# Altium PCB Iris.PcbDoc (part 1 of 13) (continued)
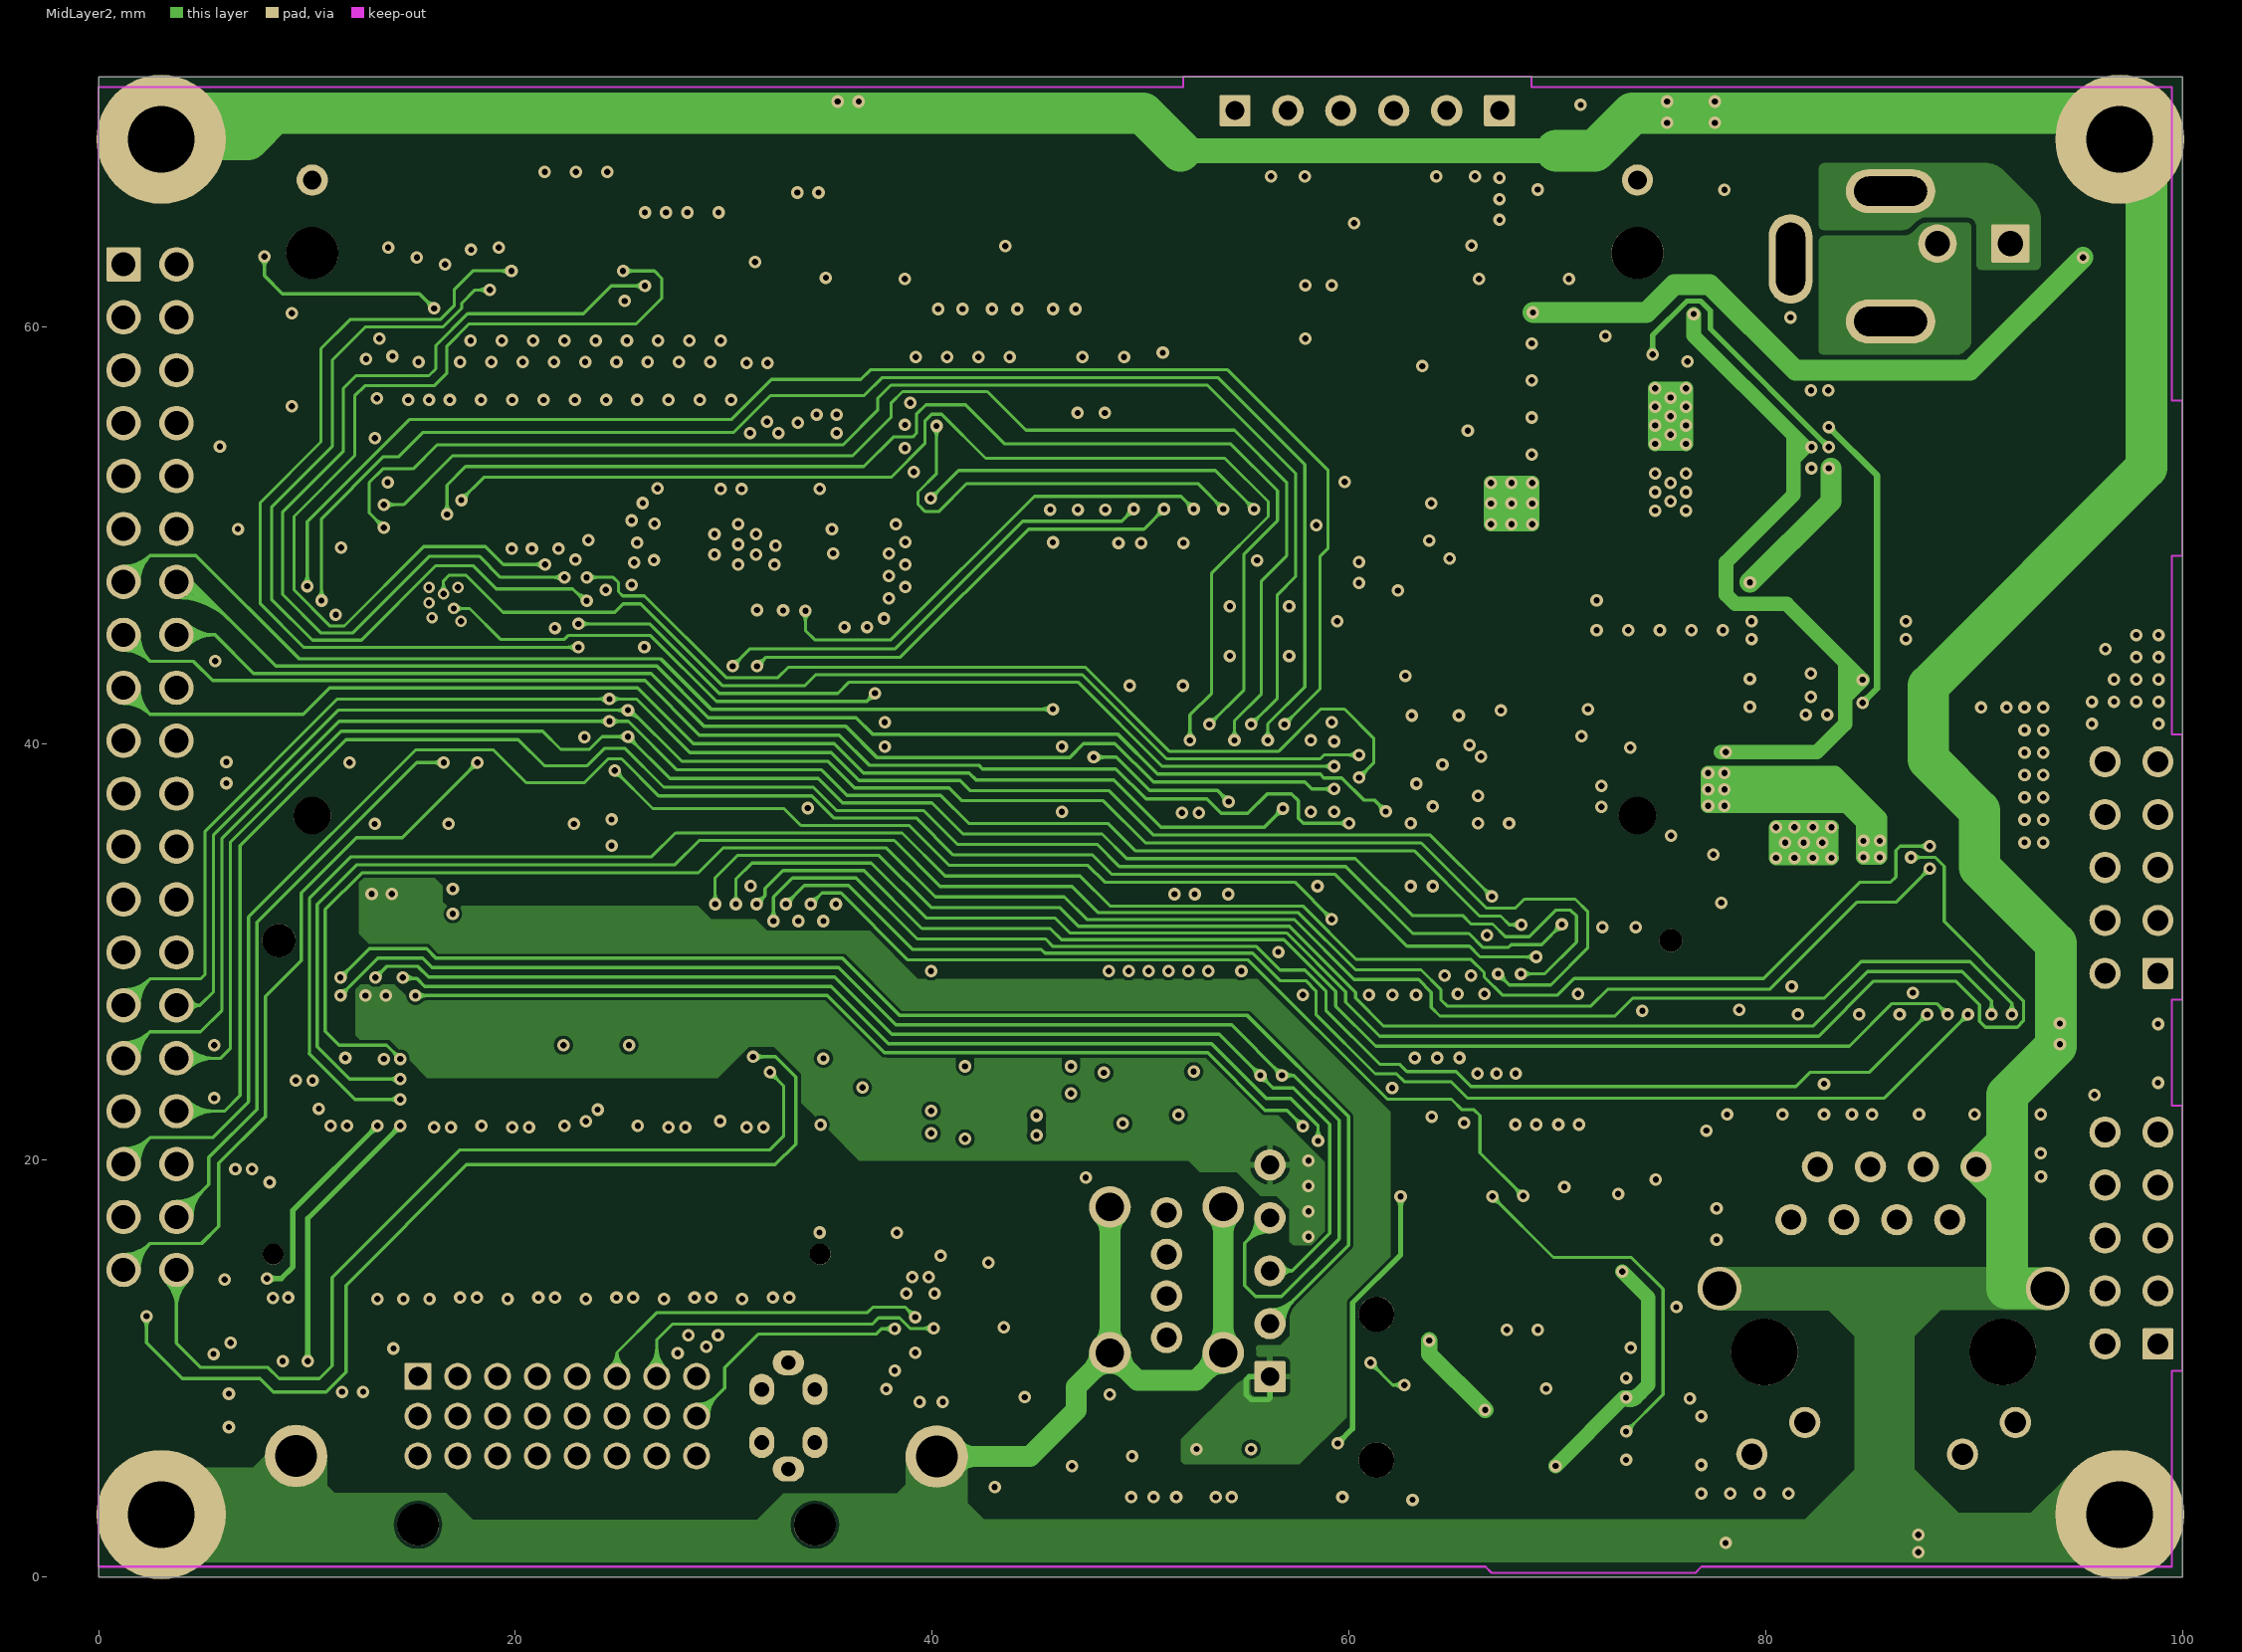
[diagram p4: MidLayer2]
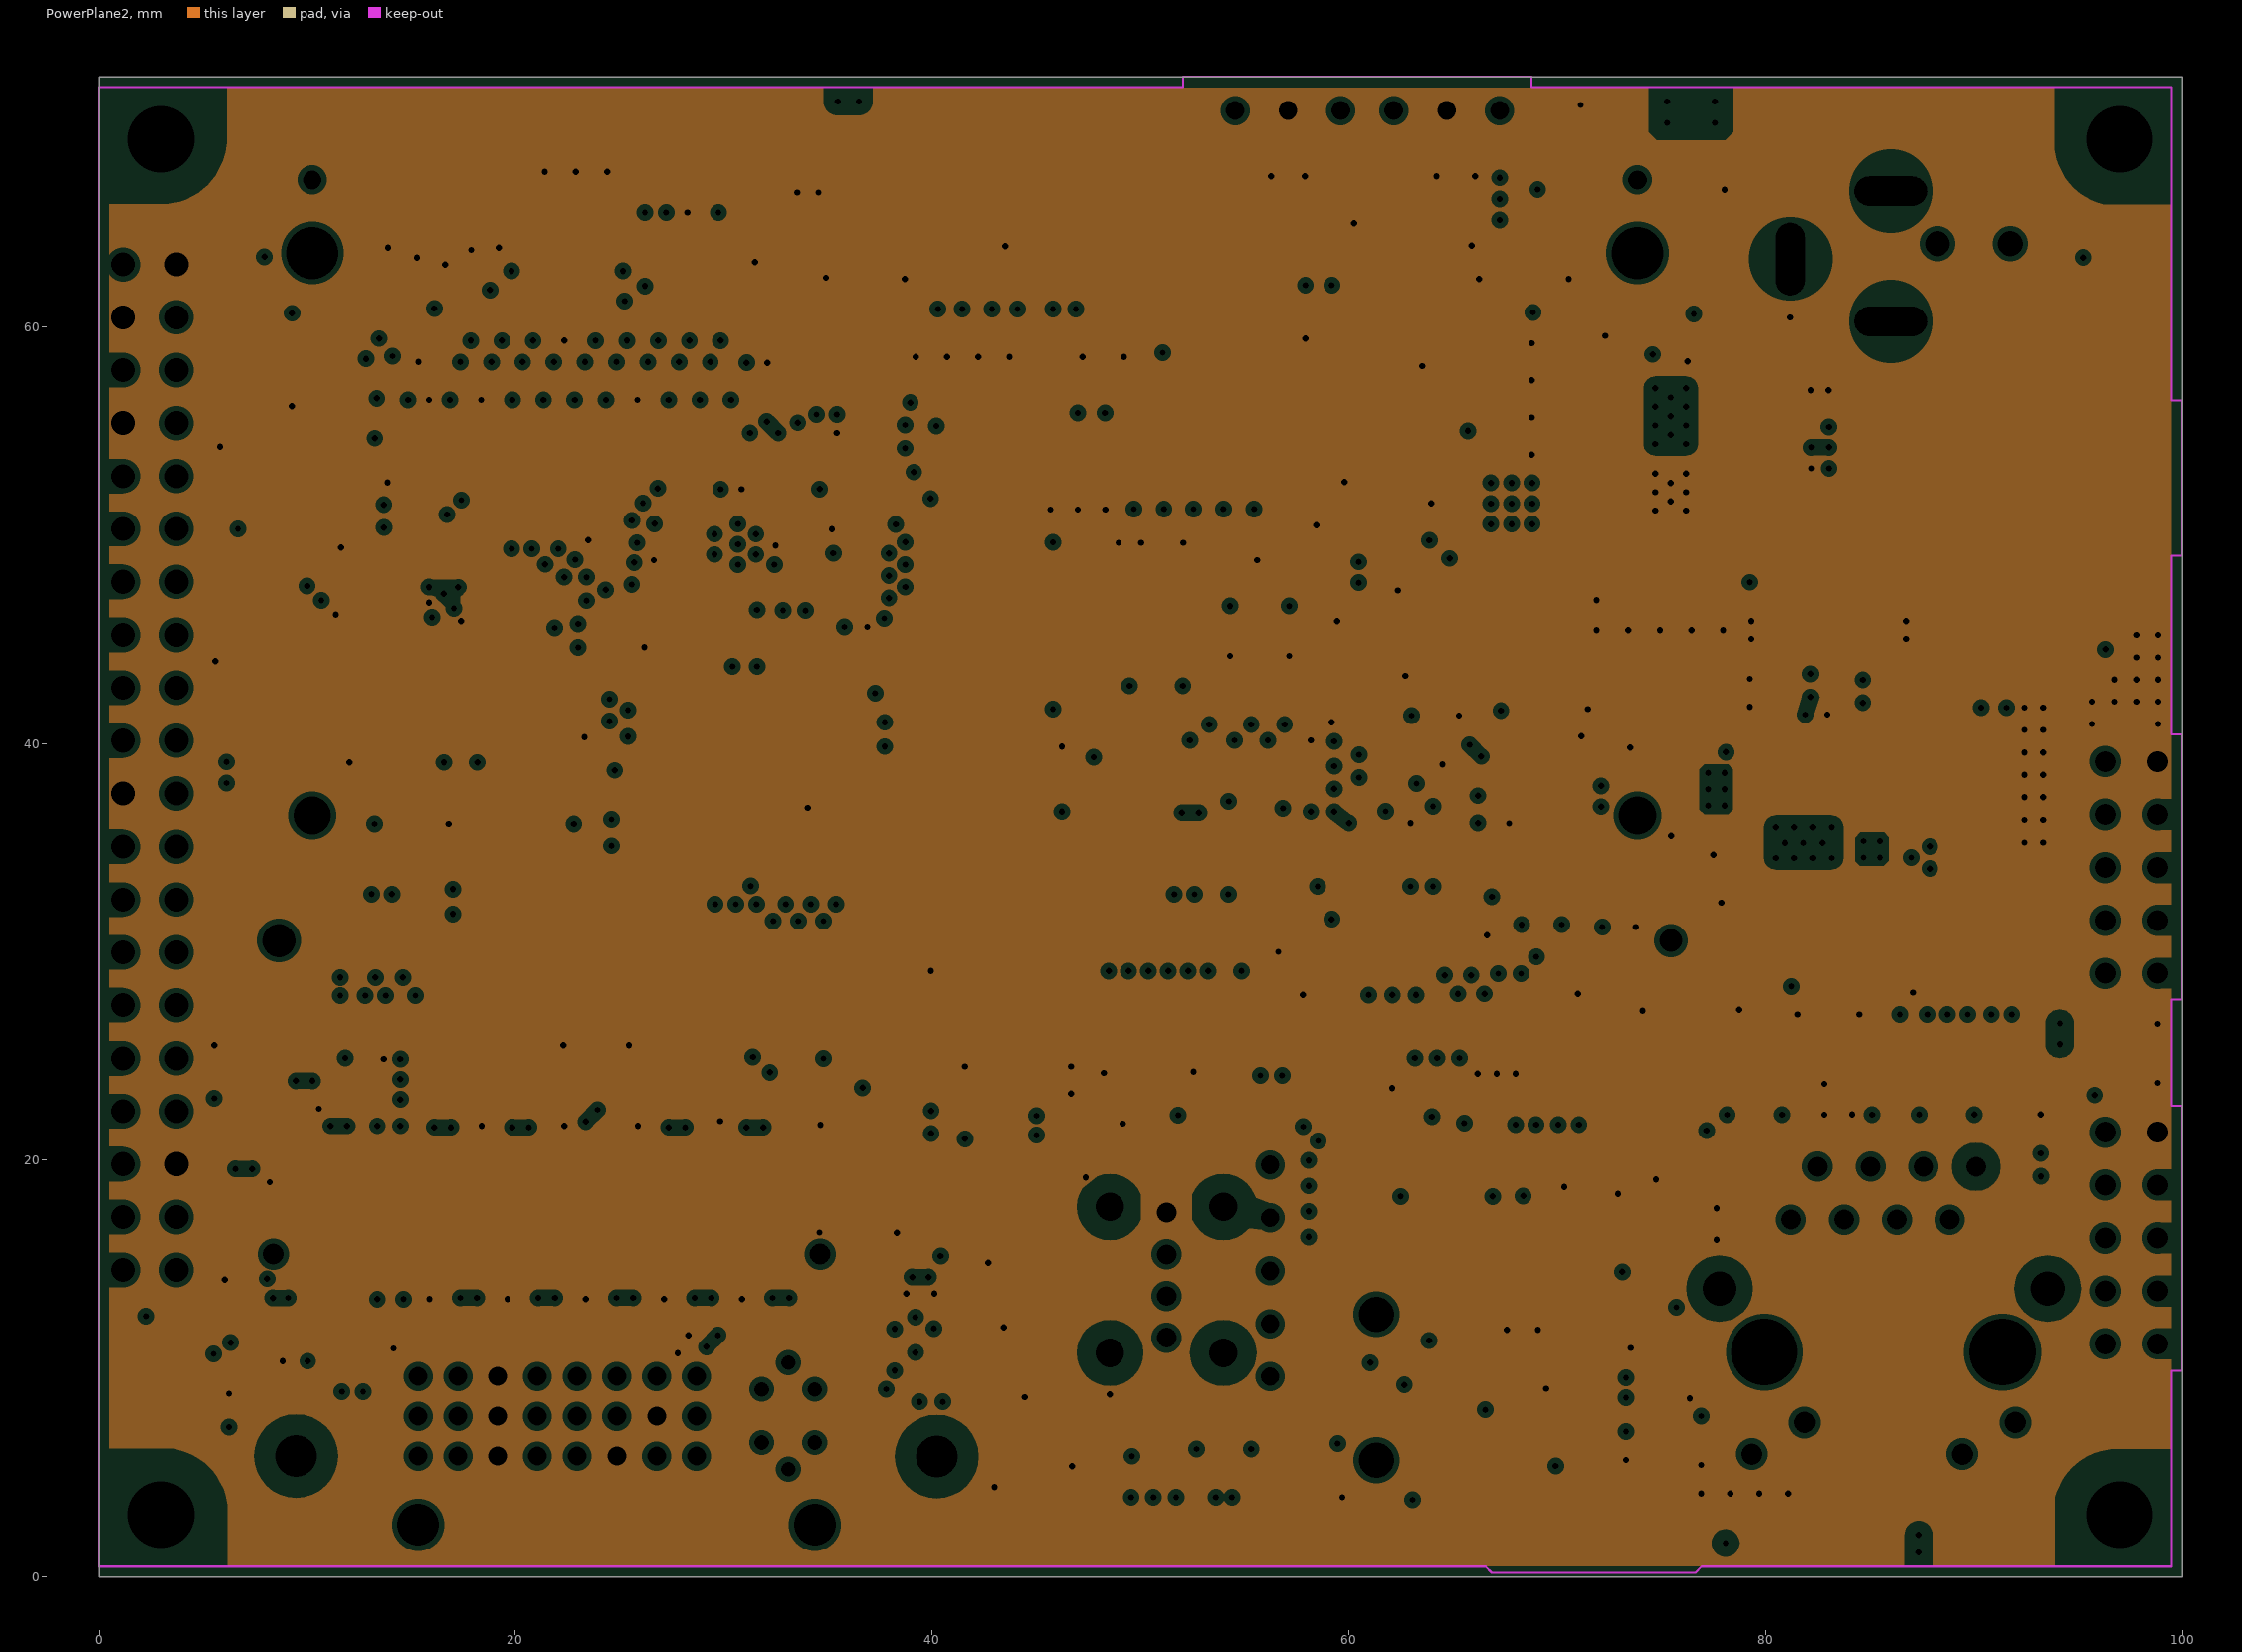
[diagram p5: PowerPlane2, clearances drawn from the general rule]
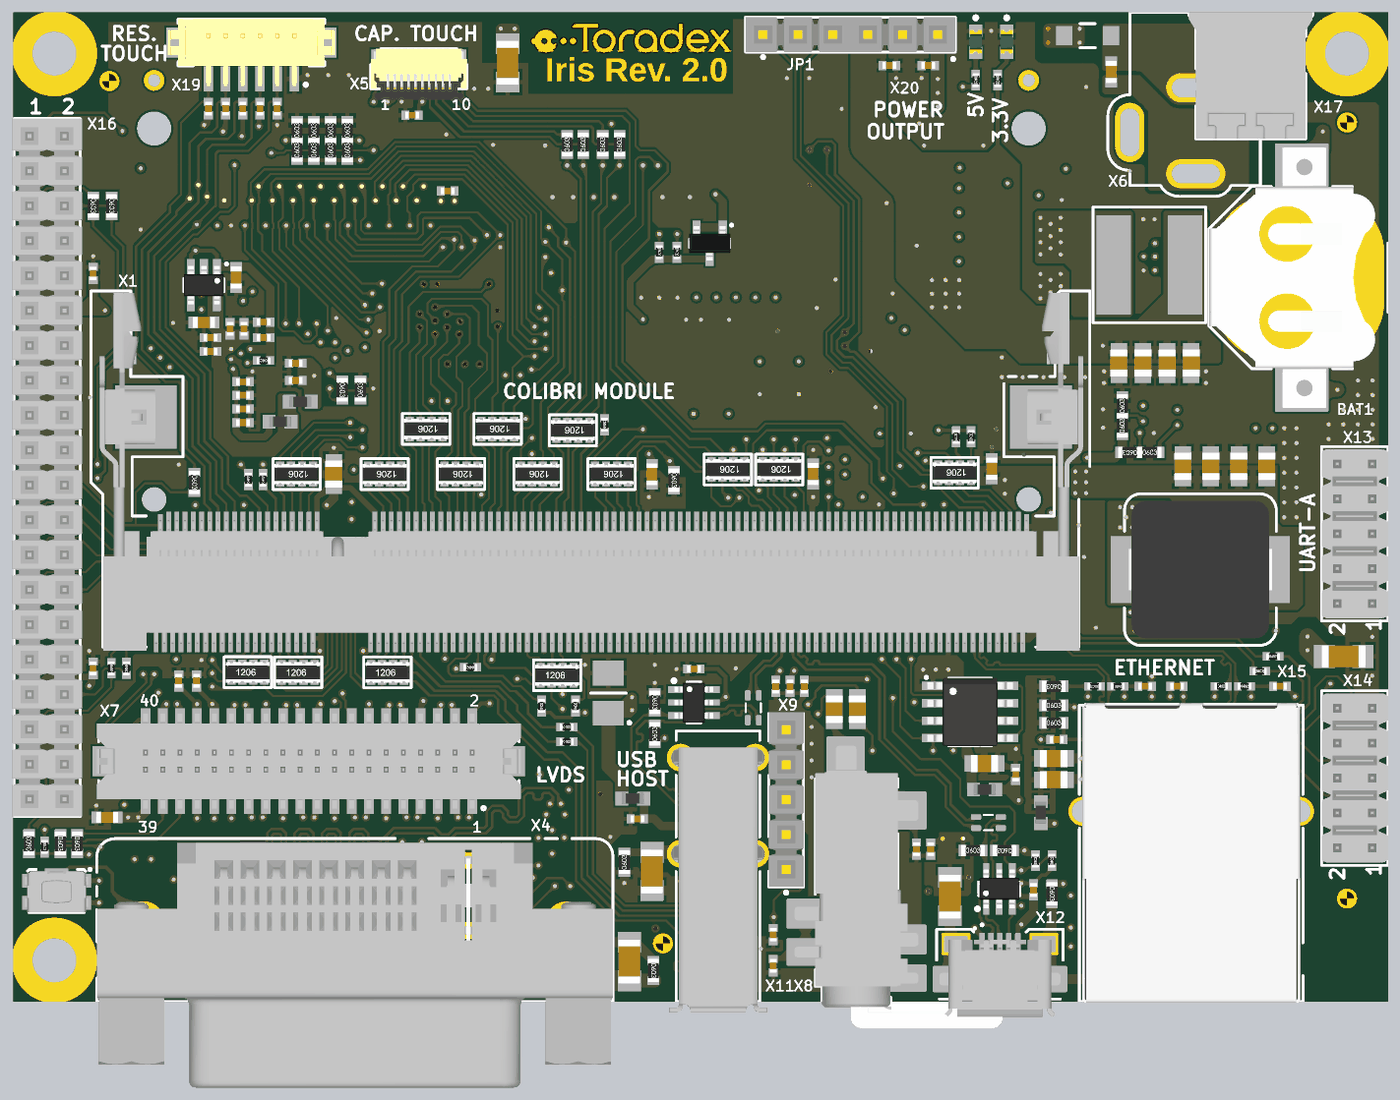
[diagram p18: 3D render of the assembled board from above, using the file's embedded part models]
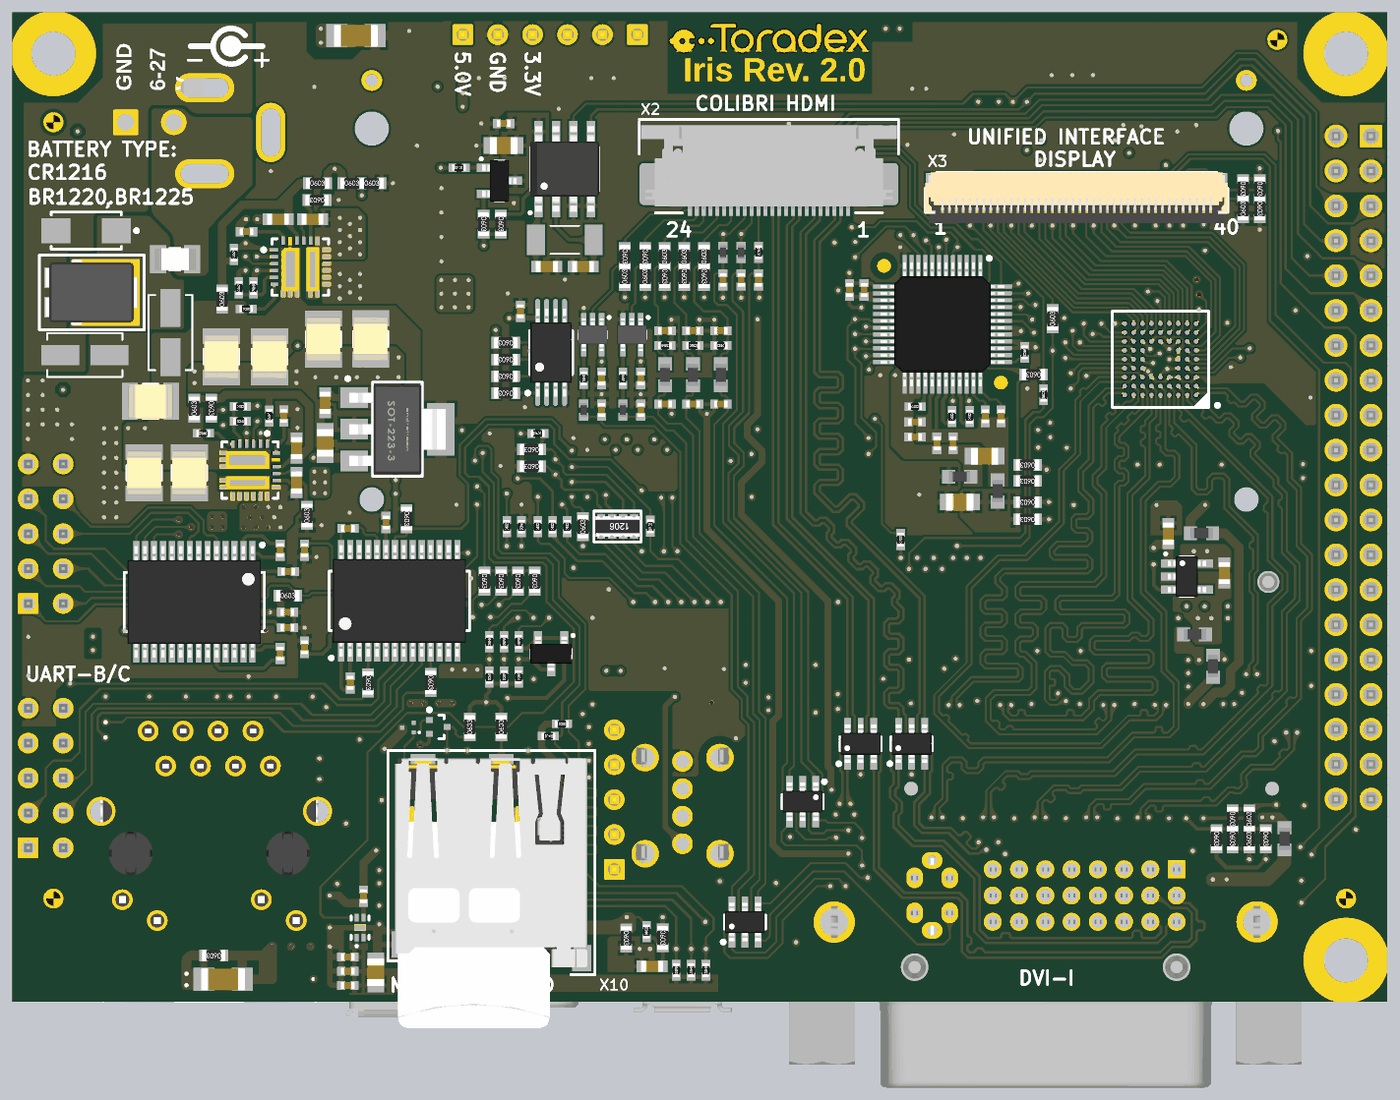
[diagram p19: 3D render of the assembled board from below, using the file's embedded part models]

## Layer stack, top to bottom
Top Layer: signal copper 0.043
Dielectric: prepreg 0.1123, FR-4, Dk 4.43
PowerPlane1: plane copper 0.035, net GND
Dielectric: core 0.2, FR-4, Dk 4.8
MidLayer1: signal copper 0.015
Dielectric: prepreg 0.75, FR-4, Dk 4.8
MidLayer2: signal copper 0.015
Dielectric: core 0.2, FR-4, Dk 4.43
PowerPlane2: plane copper 0.035, net GND
Dielectric: prepreg 0.1123, FR-4, Dk 4.43
Bottom Layer: signal copper 0.043

## Board outline
0,0 0,72 100,72 100,0

## Design rules (kind name [scope] priority, off if disabled: settings)
Clearance Polygon_Clearance_Power [(InPoly AND (InNet('GND_IN') OR InNet('PWR_IN') OR InNet('NetD8_1')))] p1: gap=0.254
Clearance Clearance_MidLayer1 [(InNet('3.3V') OR InNet('5V')) AND OnLayer('MidLayer1')] p2: gap=0.254
Clearance "Polygon Clearance" [InPoly] p3: gap=0.15
Clearance Clearance_LVDS_TMDS [InComponent('IC9') OR InComponent('D1') OR InComponent('D2')] p4: gap=0.102
Clearance [All] p5: gap=0.11
ComponentClearance [All] p1: gap=0.01 collisioncheckmode=3 verticalgap=0.1 showdistances=TRUE
DiffPairsRouting Differential_100_55 [InDifferentialPairClass('LVDS')] p1: maxlimit=0.2 minlimit=0.2 mostfreqgap=0.2 maxuncoupledlength=12.7
DiffPairsRouting Differential_95_55 [InDifferentialPairClass('Ethernet')] p2: maxlimit=0.165 minlimit=0.165 mostfreqgap=0.165 maxuncoupledlength=12.7
DiffPairsRouting Differential_90_50 [InDifferentialPairClass('USB') OR InDifferentialPairClass('TMDS')] p3: maxlimit=0.19 minlimit=0.19 mostfreqgap=0.19 maxuncoupledlength=12.7
FabricationTestPointUsage TestPointUsage [All] p1: valid=0 allowmultiple=FALSE
FabricationTestpoint Testpoint [All] p1: side=3 testpointundercomponent=TRUE minsize=1.016 maxsize=2.54 preferedsize=1.524 minholesize=0 maxholesize=1.016 preferedholesize=0.813 testpointgrid=0.025 allowsidetop=TRUE allowsidebottom=TRUE usegrid=TRUE gridtolerance=0
HoleSize [All] p1: absolutevalues=TRUE maxlimit=4 minlimit=0.025 maxpercent=80.000 minpercent=20.000
MinimumSolderMaskSliver [All] p1: minsoldermaskwidth=0
PlaneClearance [All] p1: clearance=0.254
PlaneConnect PlaneConnect_0.55mmTrace [(InComponent('X11') OR InComponent('X13') OR InComponent('X14') OR InComponent('X16') OR InComponent('X20') OR InComponent('JP1'))] p1: planeconnectstyle=Relief reliefexpansion=0.254 reliefentries=4 reliefconductorwidth=0.55 reliefairgap=0.254
PlaneConnect PlaneConnect_0.25mmTrace [(InComponent('X9'))] p2: planeconnectstyle=Relief reliefexpansion=0.254 reliefentries=4 reliefconductorwidth=0.254 reliefairgap=0.254
PlaneConnect PlaneConnect_DVI_Connector [(InComponent('X4'))] p3: planeconnectstyle=Relief reliefexpansion=0.165 reliefentries=4 reliefconductorwidth=0.4 reliefairgap=0.254
PlaneConnect PlaneConnect_All [All] p4: planeconnectstyle=Direct reliefexpansion=0.508 reliefentries=4 reliefconductorwidth=0.254 reliefairgap=0.254
PolygonConnect PolygonConnect_Direct [(IsVia) OR (InNet('V_SUPPLY_FILT') OR InNet('SHIELD') OR InNet('CHASSIS_GND') OR InNet('PWR_IN') OR InNet('GND_IN') OR InNet('NetD8_1') OR InNet('VGA_AVCC') OR InNet('VGA_AGND') OR InComponent('BAT1') OR InNet('1.8V_LVDS') OR InNet('NetC124_2') OR InComponent('IC7') OR InComponent('C85') OR InComponent('L23') OR InComponent('L24') OR InComponent('L29')) OR (InComponent('IC5') OR InComponent('L8') OR InComponent('C78') OR InComponent('C61')OR InComponent('C80')) OR (InComponent('IC14') OR InComponent('L26') OR InComponent('C70') OR InComponent('C79') OR InComponent('C83')) OR (InComponent('C59') OR InComponent('C67') OR InComponent('C68') OR InComponent('C69') OR InComponent('C76') OR InComponent('C77'))] p1: connectstyle=Direct reliefconductorwidth=0.254 reliefentries=4 polygonreliefangle="90 Angle" airgapwidth=0.254
PolygonConnect [InNet('ETH_AVCC') OR InNet('3.3V') OR (InComponent('X4') OR InComponent('X16') OR InComponent('X11') OR InComponent('X13') OR InComponent('X14') OR InComponent('X20') OR InComponent('JP1'))] p2: connectstyle=Relief reliefconductorwidth=0.4 reliefentries=4 polygonreliefangle="90 Angle" airgapwidth=0.165
PolygonConnect PolygonConnect_All [All] p3: connectstyle=Relief reliefconductorwidth=0.3 reliefentries=4 polygonreliefangle="90 Angle" airgapwidth=0.2
RoutingVias [All] p1: holewidth=0.3 width=0.6 viastyle="Through Hole" minholewidth=0.3 minwidth=0.6 maxholewidth=0.3 maxwidth=0.6
SilkToSilkClearance [All] p1: silktosilkclearance=0.1
SilkscreenOverComponentPads [IsPad] p1: minsilkscreentomaskgap=0.05
SolderMaskExpansion [All] p1: expansion=0
Width SingleEnded_55 [InDifferentialPairClass('LVDS') OR InDifferentialPairClass('Ethernet')] p1: maxlimit=0.15 minlimit=0.105 preferedwidth=0.15 toplayer_minwidth=0.15 midlayer1_minwidth=0.15 midlayer2_minwidth=0.15 minimp=50.000000 maximp=50.000000 favimp=50.000000
Width SingleEnded_50 [InDifferentialPairClass('USB') OR InDifferentialPairClass('TMDS')] p2: maxlimit=0.18 minlimit=0.18 preferedwidth=0.18 minimp=50.000000 maximp=50.000000 favimp=50.000000
Width Power [(InNet('3.3v') OR InNet('5V') OR InNet('GND')OR InNet('VDD_CL')OR InNet('VDD_DVI')OR InNet('CHASSIS_GND')OR InNet('NetFLT4_1')OR InNet ('V_SUPPLY_FILT')OR InNet ('GND_IN')OR InNet ('+12V_IN'))] p3: maxlimit=3 minlimit=0.102 preferedwidth=0.3 toplayer_minwidth=0.12 midlayer1_minwidth=0.12 midlayer2_minwidth=0.12 minimp=50.000000 maximp=50.000000 favimp=50.000000
Width [All] p4: maxlimit=1 minlimit=0.105 preferedwidth=0.152 minimp=50.000000 maximp=50.000000 favimp=50.000000
18 further rules are at their usual default settings.

## Classes and differential pairs
component class LVDS: C20 C21 C22 C23 C24 C25 C86 C97 C119 C121 C122 C123 C124 C125 C126 C127 C128 IC9 IC11 L9 L10 L11 L25 L31 R35 R36 R40 R41 R42 R44 R45 R46 R83 R85 R86 R89 R90 R98 R129 R130 R131 R132 R133 R134 R135 R136 X7
component class DVI: C1 C2 C3 C4 C5 C6 C7 C8 C9 C10 C11 C95 C96 C136 D1 D2 D3 D4 D10 IC3 IC10 L1 L2 L3 L4 L5 L6 L7 R11 R12 R13 R14 R15 R16 R17 R18 R19 R20 R21 R22 R23 R25 R26 R28 R76 R97 R140 X2 x4 X4
component class USB: C41 C42 C43 C44 C104 C120 C129 C130 D5 D11 D12 IC1 L15 L16 L17 L18 R8 R30 R37 R49 R50 R58 R59 R60 R61 R77 R87 R115 R116 R137 X11 X12
component class Serial: C36 C37 C38 C39 C40 C45 C46 C47 C48 C49 IC4 IC6 R4 R5 R93 R94 R106 R107 RA8 RA10 RA12 X13 X14
component class SDCard: C33 C34 C137 C138 C139 D6 IC13 L13 R1 R3 R24 R27 R101 R102 R103 R104 R105 R145 RA2 RA14 T3 X10
component class RTC: BAT1 C55 C56 C57 C58 C132 D7 IC8 IC12 OSC OSC1 R53 R54 R55 R56 R57 R141 R142 R143 R144
component class DisplayInterface: C90 C91 C92 C93 C94 C105 C112 R39 R43 R63 R75 R78 R88 R91 R125 R126 R127 R128 RA1 RA3 RA5 RA7 RA9 RA15 RA16 X3 X5 X19
component class PowerSupply: C59 C60 C61 C62 C63 C64 C65 C66 C67 C68 C69 C70 C71 C72 C73 C74 C75 C76 C77 C78 C79 C80 C81 C82 C83 C115 C116 C133 C134 C135 D8 D13 F1 IC5 IC14 IC15 L8 L23 L26 L29 LED1 LED2 MH1 MH2 MH3 MH4 R62 R64 R65 R66 R67 R68 R69 R70 R71 R72 R73 R74 R81 R82 R139 R150 R151 R152 R153 R154 R155 R156 R157 T1 T2 X6 X17 X20
component class RGB-to-VGA: C12 C13 C14 C15 C16 C17 C18 C19 C102 C103 IC2 L21 L27 R6 R29 R31 R32 R33 R34 R92 R99 R114
component class Extension: C117 C118 R84 X16
component class Ethernet: C50 C51 C52 C53 C54 C89 C131 L19 R47 R48 R51 R52 R95 R96 R121 R122 R123 R138 X15
component class Colibri: C98 C99 C100 C101 JP1 R2 R7 R9 R10 R79 R80 R100 R108 R109 R110 R111 R112 R113 R117 R118 R119 R120 R146 R147 R148 R149 RA4 RA6 RA11 RA13 SW1 X1
component class Audio: C26 C27 C28 C29 C30 C31 C32 C35 C84 C85 C87 C88 IC7 L24 R38 R124 R158 X8 X9
net class ANALOG_IN[0..3]: ANALOG_IN0 ANALOG_IN1 ANALOG_IN2 ANALOG_IN3
component class Mechanicals: MECH1 MECH2 MECH3 MECH4 MECH5 MECH6 MECH7 MECH8 MECH9 MECH10
differential pair class Ethernet: ETH_RXI ETH_TX0
differential pair class LVDS: LVDS_A_CLK LVDS_A_TX0 LVDS_A_TX1 LVDS_A_TX2 LVDS_A_TX3 LVDS_B_CLK LVDS_B_TX0 LVDS_B_TX1 LVDS_B_TX2 LVDS_B_TX3
differential pair class TMDS: TMDS_CLK TMDS_DATA0 TMDS_DATA1 TMDS_DATA2
differential pair class USB: USB_CLIENT USB_HOST USBC USBH
net class DIO[0..16]: DIO0 DIO1 DIO2 DIO3 DIO4 DIO5 DIO6 DIO7 DIO8 DIO9 DIO10 DIO11 DIO12 DIO13 DIO14 DIO15 DIO16
differential pair USB_HOST: +USB_HOST_P -USB_HOST_N
differential pair USB_CLIENT: +USB_CLIENT_P -USB_CLIENT_N
differential pair USBH: +USBH_P -USBH_N
differential pair USBC: +USBC_P -USBC_N
differential pair TMDS_DATA2: +TMDS_DATA2_P -TMDS_DATA2_N
differential pair TMDS_DATA1: +TMDS_DATA1_P -TMDS_DATA1_N
differential pair TMDS_DATA0: +TMDS_DATA0_P -TMDS_DATA0_N
differential pair TMDS_CLK: +TMDS_CLK_P -TMDS_CLK_N
differential pair ETH_RXI: +ETH_RXI_P -ETH_RXI_N
differential pair ETH_TX0: +ETH_TX0_P -ETH_TX0_N
differential pair LVDS_A_CLK: +LVDS_A_CLK_P -LVDS_A_CLK_N
differential pair LVDS_A_TX0: +LVDS_A_TX0_P -LVDS_A_TX0_N
differential pair LVDS_A_TX1: +LVDS_A_TX1_P -LVDS_A_TX1_N
differential pair LVDS_A_TX2: +LVDS_A_TX2_P -LVDS_A_TX2_N
differential pair LVDS_A_TX3: +LVDS_A_TX3_P -LVDS_A_TX3_N
differential pair LVDS_B_CLK: +LVDS_B_CLK_P -LVDS_B_CLK_N
differential pair LVDS_B_TX0: +LVDS_B_TX0_P -LVDS_B_TX0_N
differential pair LVDS_B_TX1: +LVDS_B_TX1_P -LVDS_B_TX1_N
differential pair LVDS_B_TX2: +LVDS_B_TX2_P -LVDS_B_TX2_N
differential pair LVDS_B_TX3: +LVDS_B_TX3_P -LVDS_B_TX3_N

## Components (designator, comment, footprint, x,y, rotation, side; value= is the part's Value field where it differs from the comment)
BAT1 "Keystone-3000" T_KEYSTONE_3000 93.7,52.7 r270 top locked
C1 "10pF" CAPC1005X60N 52.527,48.819 r180 bottom
C2 "10pF" CAPC1005X60N 48.463,48.819 r0 bottom
C3 "220pF" CAPC1005X60N 45.72,52.527 r270 bottom
C4 "10pF" CAPC1005X60N 50.495,48.819 r180 bottom
C5 "47pF" CAPC1005X60N 57.135,43.053 r90 bottom
C6 "47pF" CAPC1005X60N 54.29,43.053 r90 bottom
C7 "4.7pF" CAPC1005X60N 48.311,52.527 r270 bottom
C8 "4.7pF" CAPC1005X60N 46.99,52.527 r270 bottom
C9 "10pF" CAPC1005X60N 52.527,43.485 r180 bottom
C10 "10pF" CAPC1005X60N 50.495,43.485 r180 bottom
C11 "10pF" CAPC1005X60N 48.463,43.485 r0 bottom
C12 "100nF" CAPC1005X60N 28.092,42.591 r270 bottom
C13 "100nF" CAPC1005X60N 29.235,42.591 r270 bottom
C14 "10nF" CAPC1005X60N 38.05,51.803 r90 bottom
C15 "100nF" CAPC1005X60N 39.117,51.804 r90 bottom
C16 "10nF" CAPC1005X60N 34.341,42.189 r180 bottom
C17 "100nF" CAPC1005X60N 34.341,41.103 r180 bottom
C18 "10nF" CAPC1005X60N 31.579,40.633 r90 bottom
C19 "100nF" CAPC1005X60N 32.75,40.633 r90 bottom
C20 "100nF" CAPC1005X60N 18.212,49.454 r0 top
C21 "10nF" CAPC1005X60N 18.212,48.329 r0 top
C22 "100nF" CAPC1005X60N 16.789,48.971 r270 top
C23 "100nF" CAPC1005X60N 14.351,47.32 r0 top
C24 "10nF" CAPC1005X60N 15.773,48.971 r270 top
C25 "10nF" CAPC1005X60N 14.351,48.329 r0 top
C26 "47uF" T_CAPC0805X125N 59.715,21.285 r270 top
C27 "47uF" T_CAPC0805X125N 61.392,21.285 r270 top
C28 "15pF" CAPC1005X60N 57.531,22.936 r90 top
C29 "15pF" CAPC1005X60N 55.268,2.616 r90 top
C30 "15pF" CAPC1005X60N 56.49,22.936 r90 top
C31 "15pF" CAPC1005X60N 65.677,11.1 r90 top
C32 "15pF" CAPC1005X60N 55.448,22.936 r90 top
C33 "100nF" CAPC1005X60N 74.451,7.671 r270 bottom
C34 "100pF" CAPC1005X60N 75.59,2.217 r180 bottom
C35 "15pF" CAPC1005X60N 66.726,11.1 r270 top
C36 "100nF" CAPC1005X60N 79.982,28.338 r0 bottom
C37 "100nF" CAPC1005X60N 79.982,27.217 r0 bottom
C38 "100nF" CAPC1005X60N 80.508,25.339 r90 bottom
C39 "100nF" CAPC1005X60N 79.932,31.299 r180 bottom
C40 "100nF" CAPC1005X60N 80.508,32.855 r270 bottom
C41 "100uF" CAPMP3528X210N 43.282,22.454 r90 top
C42 "22uF" T_CAPC0805X125N 70.637,17.323 r180 top
C43 "100nF" CAPC1005X60N 72.898,16.535 r270 top
C44 "100nF" CAPC1005X60N 45.39,13.31 r0 top
C45 "100nF" CAPC1005X60N 72.82,34.874 r270 bottom
C46 "100nF" CAPC1005X60N 78.74,32.855 r90 bottom
C47 "100nF" CAPC1005X60N 75.583,34.435 r0 bottom
C48 "100nF" CAPC1005X60N 78.74,25.781 r90 bottom
C49 "100nF" CAPC1005X60N 75.42,23.2 r270 bottom
C50 "100nF" CAPC1005X60N 82.317,22.949 r180 top
C51 "100nF" CAPC1005X60N 92.126,22.949 r180 top
C52 "47uF" T_CAPC0805X125N 75.673,16.145 r0 top
C53 "47uF" T_CAPC0805X125N 75.673,17.695 r0 top
C54 "100nF" CAPC1005X60N 75.895,19.075 r0 top
C55 "22uF" T_CAPC0805X125N 64.262,62.306 r180 bottom
C56 "27pF" T_CAPC0603X33N 61.13,53.492 r0 bottom
C57 "27pF" T_CAPC0603X33N 58.492,53.492 r180 bottom
C58 "100nF" CAPC1005X60N 64.262,63.906 r180 bottom
C59 "4.7uF" T_CAPC0603X33N 80.67,56.947 r180 bottom
C60 "100nF" T_CAPC0603X33N 79.844,67.666 r270 top
C61 "10uF" CAPC3225X160N 73.939,48.235 r90 bottom
C62 "100nF" T_CAPC0603X33N 78.168,56.947 r0 bottom
C63 "47uF" T_CAPC0805X125N 80.408,46.482 r90 top
C64 "47uF" T_CAPC0805X125N 82.161,46.482 r90 top
C65 "47uF" T_CAPC0805X125N 83.914,46.482 r90 top
C66 "47uF" T_CAPC0805X125N 85.666,46.482 r90 top
C67 "10uF" CAPC3225X160N 84.785,46.939 r90 bottom
C68 "10uF" CAPC3225X160N 89.941,43.688 r180 bottom
C69 "10uF" CAPC3225X160N 81.28,46.939 r90 bottom
C70 "10uF" CAPC3225X160N 87.122,38.481 r90 bottom
C71 "100nF" T_CAPC0603X33N 79.324,37.782 r90 bottom
C72 "47uF" T_CAPC0805X125N 85.065,38.964 r270 top
C73 "47uF" T_CAPC0805X125N 87.097,38.964 r270 top
C74 "47uF" T_CAPC0805X125N 89.129,38.964 r270 top
C75 "47uF" T_CAPC0805X125N 91.161,38.964 r270 top
C76 "10nF" CAPC1005X60N 80.239,42.621 r270 bottom
C77 "10nF" CAPC1005X60N 82.956,56.032 r180 bottom
C78 "10uF" CAPC3225X160N 77.368,48.209 r90 bottom
C79 "10uF" CAPC3225X160N 90.399,38.481 r90 bottom
C80 "4.7uF" T_CAPC0603X33N 79.324,40.284 r270 bottom
C81 "100nF" T_CAPC0603X33N 77.241,43.585 r90 bottom
C82 "22uF" T_CAPC0805X125N 77.241,40.666 r90 bottom
C84 "2.2uF" T_CAPC0603X33N 15.926,34.061 r270 bottom
C85 "2.2uF" T_CAPC0603X33N 11.862,31.191 r90 bottom
C86 "100nF" CAPC1005X60N 12.04,23.343 r270 top
C87 "15pF" CAPC1005X60N 55.268,4.877 r90 top
C88 "4.7uF" T_CAPC0603X33N 53.467,2.565 r180 bottom
C89 "100nF" CAPC1005X60N 84.633,22.949 r0 top
C90 "1nF" CAPC1005X60N 14.198,65 r90 top
C91 "1nF" CAPC1005X60N 15.448,65 r90 top
C92 "1nF" CAPC1005X60N 16.698,65 r90 top
C93 "1nF" CAPC1005X60N 17.948,65 r90 top
C94 "1nF" CAPC1005X60N 19.198,65 r90 top
C95 "100nF" CAPC1005X60N 54.29,45.364 r90 bottom
C96 "100nF" CAPC1005X60N 57.135,45.364 r90 bottom
C97 "100nF" CAPC1005X60N 13.335,23.343 r270 top
C98 "22uF" T_CAPC0805X125N 23.317,38.398 r270 top
C99 "4.7uF" T_CAPC0603X33N 46.456,38.379 r90 top
C100 "4.7uF" T_CAPC0603X33N 58.176,38.405 r90 top
C101 "4.7uF" T_CAPC0603X33N 71.171,38.787 r90 top
C102 "22uF" T_CAPC0805X125N 31.09,36.36 r180 bottom
C103 "22uF" T_CAPC0805X125N 29.286,39.7 r180 bottom
C104 "100nF" CAPC1005X60N 74.193,8.128 r90 top